# Allegro board RK_EVB7_RK3588_LP4XD200P232SD8_V11_20230111YWQ.brd (continued)
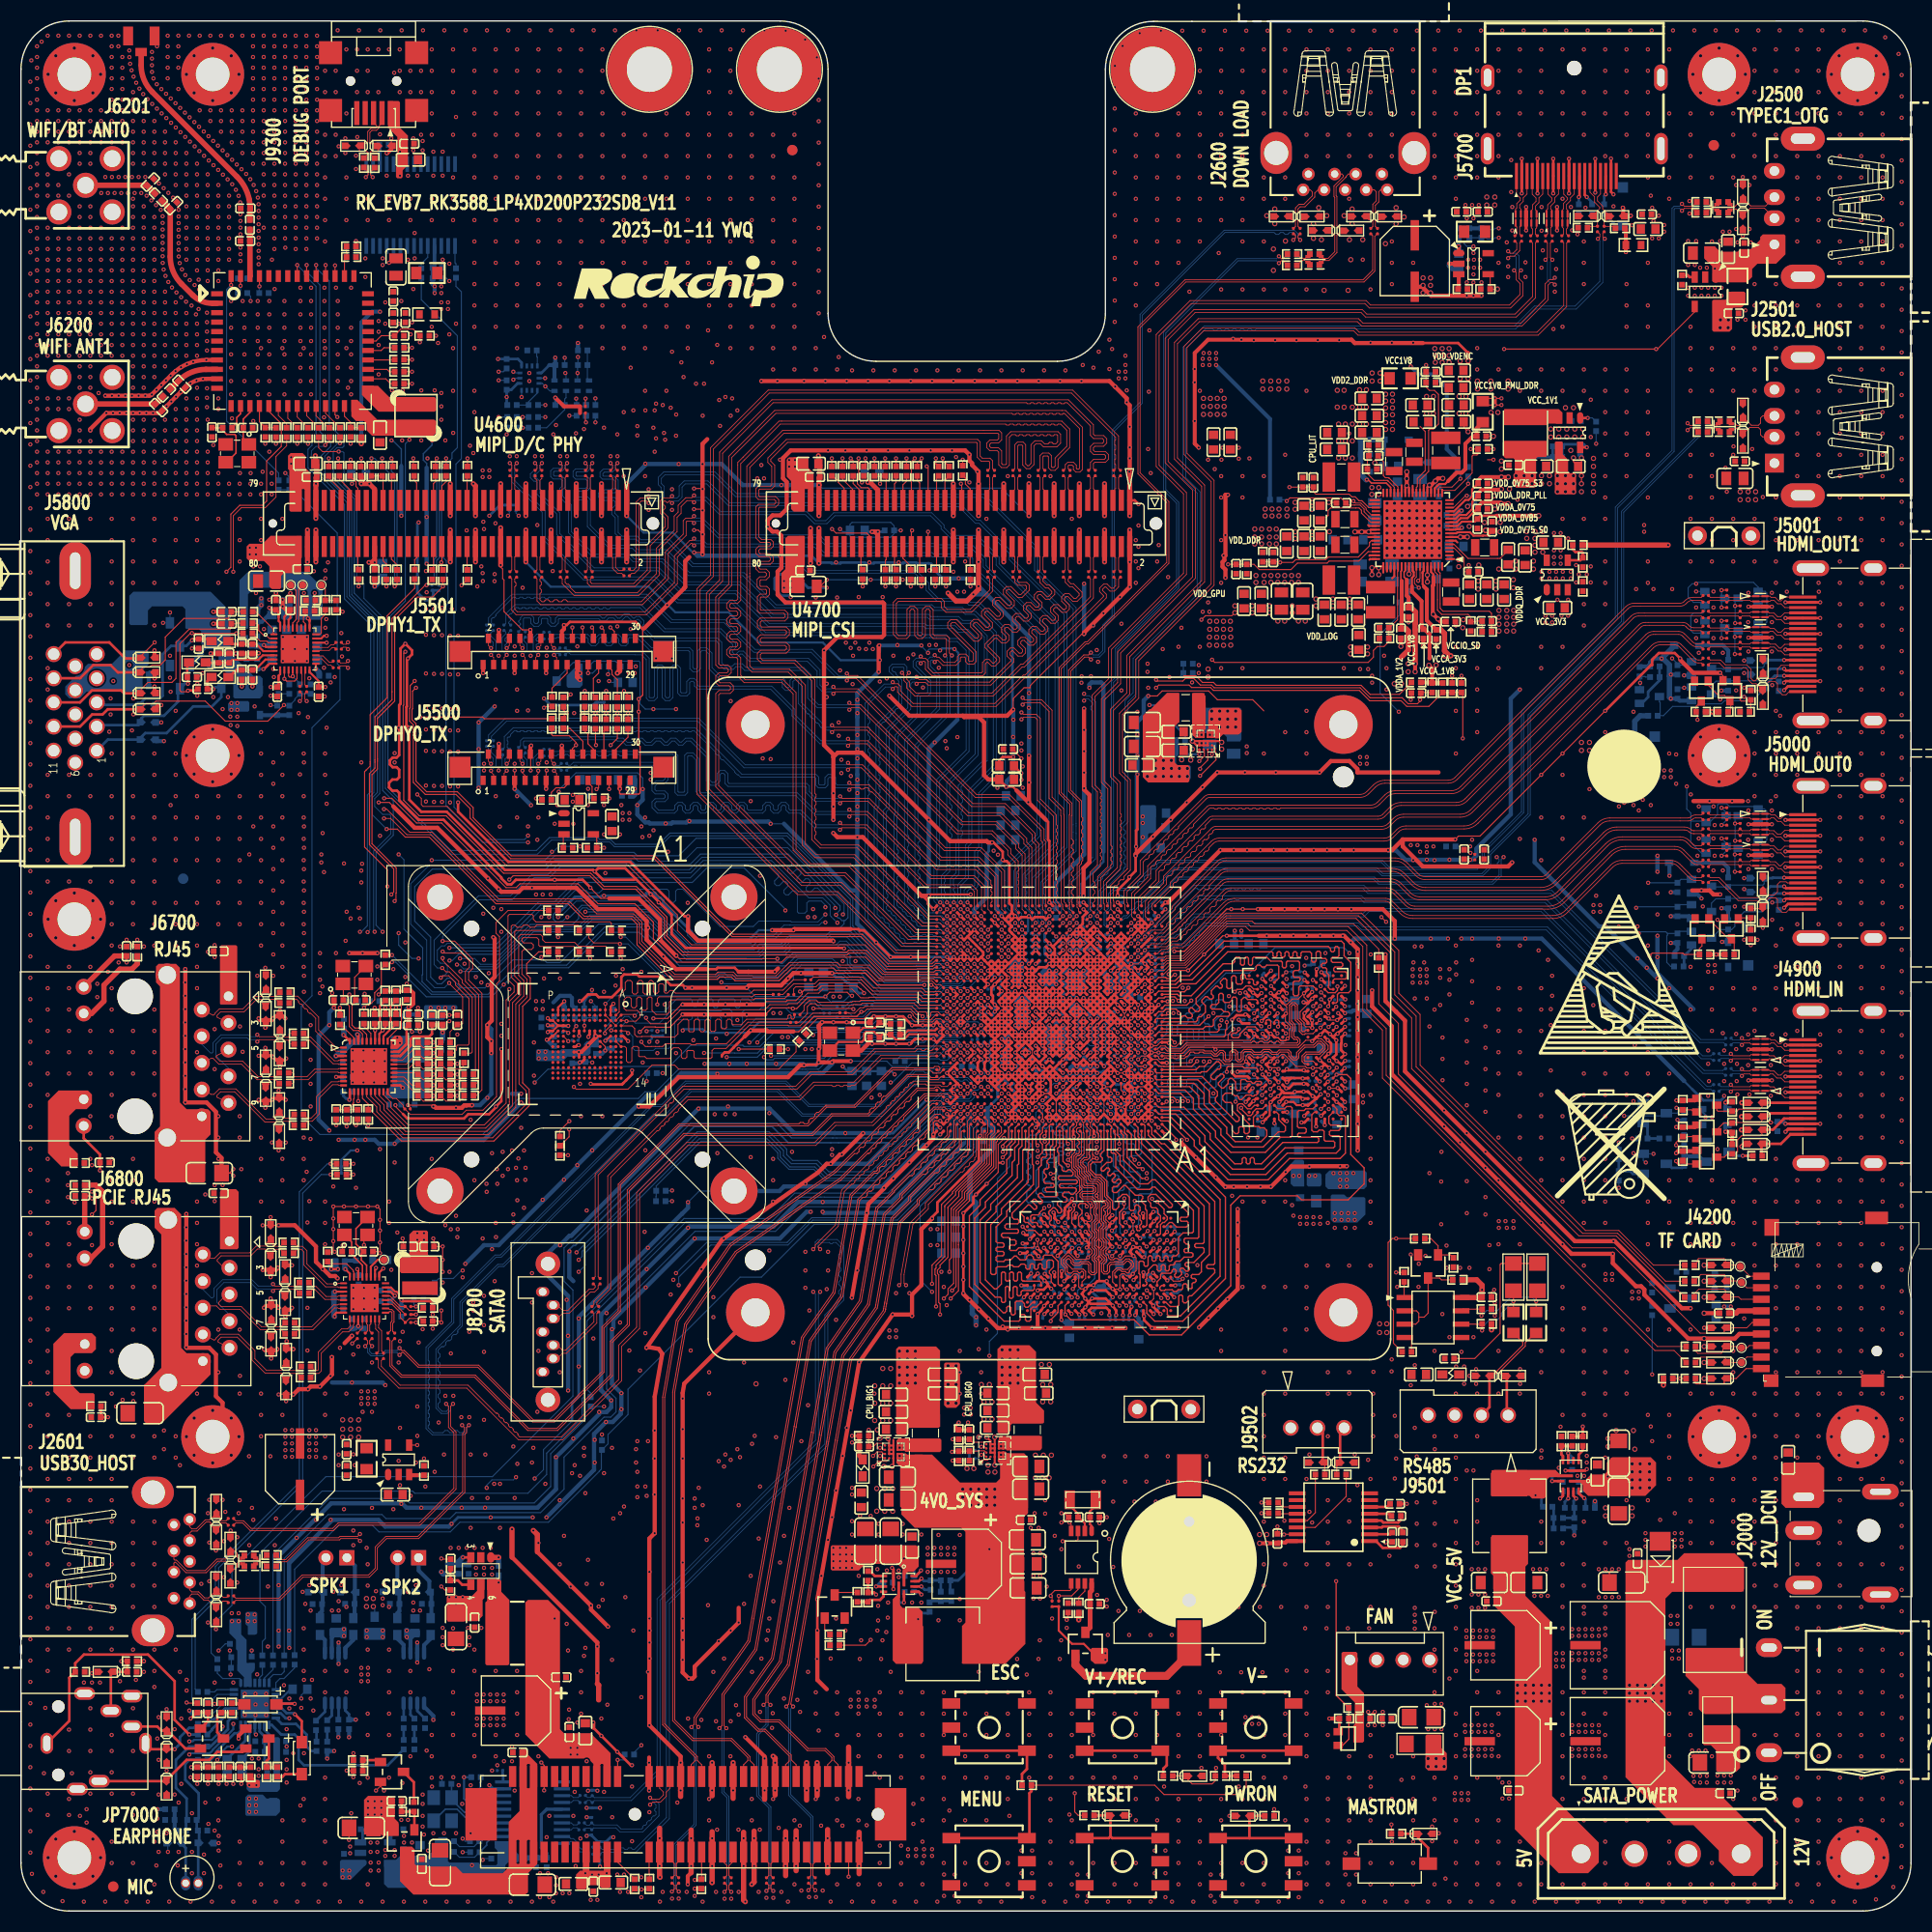
[diagram p0: board, top side]
## Nets (continued)
U5700.8(GND#8) U5701.3(GND#3) U5701.8(GND#8) U5800.33(EPAD) U6200.1(GND_1) U6200.3(GND_2) U6200.4(GND_3) U6200.5(GND_4) U6200.6(GND_5) U6200.7(GND_6) U6200.8(GND_7) U6200.10(GND_8) U6200.11(GND_9) U6200.23(GND_10) U6200.32(GND_11) U6200.39(GND_12) U6700.41(E_PAD) U6800.33(GND) U7000.4(DGND) U7000.13(HPGND) U7000.18(AGND) U7000.29(E-PAD) U7001.7(GND) U7002.7(GND) U8100.1(G1) U8100.2(G2) U8100.A1(PRSNT1#) U8100.A4(GND_A4) U8100.A12(GND_A12) U8100.A15(GND_A15) U8100.A18(GND_A18) U8100.A20(GND_A20) U8100.A23(GND_A23) U8100.A24(GND_A24) U8100.A27(GND_A27) U8100.A28(GND_A28) U8100.A31(GND_A31) U8100.B4(GND_B4) U8100.B7(GND_B7) U8100.B13(GND_B13) U8100.B16(GND_B16) U8100.B18(GND_B18) U8100.B21(GND_B21) U8100.B22(GND_B22) U8100.B25(GND_B25) U8100.B26(GND_B26) U8100.B29(GND_B29) U8100.B32(GND_B32) U8101.2(GND) U8102.9(GNDXD) U8102.16(GNDODA) U8103.2(GND) U9000.6(GND0) U9000.7(RESV) U9300.7(GND1) U9300.18(GND2) U9300.21(GND3) U9300.25(AGND) U9300.26(TEST) U9501.5(GND) U9502.15(GND) Y1100.2(GND#2) Y1100.4(GND#4) Y6200.2(GND#2) Y6200.4(GND#4) Y6700.2(GND#2) Y6700.4(GND#4) Y6800.2(GND#2) Y6800.4(GND#4) Y8100.2(GND#2) Y8100.4(GND#4)
VCC1V8_DAC_VDDAC: C5819.1 C5820.1 FB5801.2 U5800.4(VDDAC)
VCC1V8_PMU_DDR_S3: C1107.1 C1112.1 C3800.1 C3801.1 C3802.1 C3803.1 C3804.1 C3805.1 C3806.1 C3807.1 C3808.1 C3845.1 C3846.1 C3847.1 C3848.1 C3849.1 C3850.1 C3851.1 C3852.1 C3853.1 R2210.1 R2211.1 R4203.2 U1000.N28(PMUIO1_1V8) U1000.R27(PMUIO2_1V8) U3800.F1(VDD1_1) U3800.F12(VDD1_2) U3800.G4(VDD1_3) U3800.G9(VDD1_4) U3800.T4(VDD1_5) U3800.T9(VDD1_6) U3800.U1(VDD1_7) U3800.U12(VDD1_8) U3801.F1(VDD1_1) U3801.F12(VDD1_2) U3801.G4(VDD1_3) U3801.G9(VDD1_4) U3801.T4(VDD1_5) U3801.T9(VDD1_6) U3801.U1(VDD1_7) U3801.U12(VDD1_8)
VCC1V8_RX_AVCC: C5817.1 C5818.1 FB5800.2 U5800.17(AVCC) U5800.22(ASPVCC)
VCC1V8_RX_IVDD: C5812.1 C5813.1 C5814.1 C5815.1 R5806.2 U5800.9(IVDD_9) U5800.16(IVDD_16) U5800.30(IVDD_30) U5800.31(IVDD_31)
VCC3V3_FT232: C9302.1 U9300.17(VO-3V3)
VCC3V3_LCD: C2335.1 C5500.1 C5501.1 C5510.1 C5511.1 J5500.19 J5501.19 U2306.1(VOUT)
VCC3V3_PCIE30: C8100.1 C8101.1 C8102.1 C8105.1 C8106.1 C8124.1 C8125.1 C8126.1 L8100.2 R8120.1 U8100.A9(+3.3V_2) U8100.A10(+3.3V_3) U8100.B8(+3.3V_1) U8100.B10(3.3VAUX)
VCC3V3_PHY0: C6710.1 C6711.1 C6712.1 C6715.1 C6716.1 R6715.1 R6717.1 R6720.2 R6732.2 R6733.1 U6700.11(AVDD33#11) U6700.29(DVDD33) U6700.40(AVDD33#40)
VCC3V3_PHY1: C6812.1 C6813.1 C6814.1 C6815.1 J6800.14(Y+) R6808.2 R6810.2 R6811.2 U6800.11(AVDD33(NC)) U6800.23(VDDREG(DVDD33)) U6800.32(AVDD33)
VCC3V3_PI6C_05: C8116.1 C8117.1 C8118.1 C8119.1 C8134.1 R8110.1 R8113.1 R8128.1 R8130.1 R8131.1 U8101.5(OUT) U8102.1(VDDXD)
VCC3V3_SD_S0: C4201.1 C4202.1 D4200.1 J4200.4(VDD) Q4200.3(DRAIN) R4200.2 R4202.1
VCC3V3_VGA: C5803.1 C5804.1 C5805.1 R5803.2 U5800.8(OVDD_8) U5800.23(IVDD33) U5800.32(OVDD_32)
VCC3V3_WL_VBAT: C6215.1 C6216.1 R6218.1 U6200.36(VBAT)
VCC4V0_SYS: C2009.2 C2010.1 C2011.1 C2012.1 C2013.1 C2014.1 C2016.1 C2200.1 C2201.1 C2210.1 C2212.1 C2222.1 C2223.1 C2234.1 C2235.1 C2244.1 C2245.1 C2258.1 C2260.1 C2261.1 C2300.1 C2301.1 C2302.1 C2303.1 C2317.1 C2318.1 C2319.1 C8115.1 ED2200.1 L2000.2 R2005.1 U2000.5(VOUT) U2200.1(VCC9) U2200.7(VCC8) U2200.21(VCCA) U2200.22(VCC4) U2200.27(VCC10) U2200.28(VCC6) U2200.33(VCC2_1) U2200.34(VCC2_2) U2200.43(VCC7) U2200.44(VCC5) U2200.52(VCC1_1) U2200.53(VCC1_2) U2200.54(VCC3) U2200.64(VCC12) U2300.D1(VIN_1) U2300.D2(VIN_2) U2300.E1(VIN_3) U2300.E2(VIN_4) U2301.D1(VIN_1) U2301.D2(VIN_2) U2301.E1(VIN_3) U2301.E2(VIN_4) U2302.4(VIN) U2303.D1(VIN_1) U2303.D2(VIN_2) U2303.E1(VIN_3) U2303.E2(VIN_4) U8101.1(IN)
VCC5V0_FT232: C9300.1 C9301.1 J9300.1(5V) U9300.20(VDD-5V)
VCC5V0_USB20_HOST: C2501.1 C2502.1 C2503.1 C2510.1 C2511.1 J2500.1(5V) J2501.1(5V) R2503.2 U2500.1(VOUT)
VCC5V0_USB30_HOST1: C2601.1 C2603.1 C2604.1 J2600.1(VBUS) R2600.1 R2604.2 U2600.1(VOUT)
VCC5V0_USB30_HOST2: C2608.1 C2609.1 C2610.1 J2601.1(VBUS) R2611.2 U2601.1(VOUT)
VCC5V0_VGA: C5802.1 D5800.1(A) D5803.2 D5806.2 D5809.1(A) D5810.2 R5802.2
VCC5V0_VGA_CON: C5827.1 C5828.1 D5809.2(K) J5800.9(NC)
VCC5V_HDMI_TX0: C5011.1 D5001.2(K) J5000.18(+5V)
VCC5V_HDMI_TX1: C5024.1 D5005.2(K) J5001.18(+5V)
VCC5V_HDMIRX_PORT: C4900.1 D4900.1(A) J4900.18(+5V) Q4901.2(SOURCE) R4908.1 R4912.1
VCC12_VDCIN: C2000.1 J2000.1 S2000.1(P1)
VCC12V_DCIN: C240.1 C2001.1 C2002.1 C2003.1 C2005.1 C2006.1 C2007.1 C2100.1 C2101.1 C2102.1 C2407.1 C4602.1 C4603.1 C4702.1 C4703.1 C8121.1 C8122.1 C8130.1 C8131.1 D2000.2(K) F2000.2 F2400.1 J2402.4(+12V) Q8100.2(SOURCE) R2003.2 R2101.2 R8127.1 U2000.1(VIN) U2100.1(VIN) U4600.80(12V) U4700.80(12V) U8103.5(VIN)
VCC12V_PCIE30: C8113.1 C8114.1 C8132.1 C8133.1 Q8100.3(DRAIN) U8100.A2(+12V_4) U8100.A3(+12V_5) U8100.B1(+12V_1) U8100.B2(+12V_2) U8100.B3(+12V_3)
VCC12VDC: F2000.1 R2000.1 S2000.2(P2)
VCC_1V1_NLDO_S3: C2263.1 C2270.1 C2320.1 C2321.1 C2322.1 L2302.2 R2305.1 U2200.9(VCC14) U2200.13(VCC13)
VCC_1V8_S0: C1301.1 C1502.1 C1503.1 C1605.1 C1613.1 C1617.1 C1621.1 C1716.1 C1717.1 C1731.1 C1732.1 C1733.1 C1742.1 C1903.1 C1907.1 C1909.1 C2254.1 C9000.1 C9002.1 C9003.1 CON9000.1(VDD) R1501.1 R1502.1 R1506.1 R1507.1 R1903.1 R1904.1 R1920.1 R1921.1 R2311.1 R4909.1 R5019.2 R5035.2 R5050.2 R5051.2 R7001.1 R9004.2 R9005.1 U1000.AA7(VCCIO2_1V8) U1000.AA26(MIPI_CSI1_AVCC1V8) U1000.AB26(MIPI_CSI0_AVCC1V8) U1000.AC6(HDMI/EDP_TX0_VDD_CMN_1V8) U1000.AC7(HDMI/EDP_TX0_VDD_IO_1V8) U1000.AC25(VCCIO6_1V8) U1000.AD6(HDMI/EDP_TX1_VDD_CMN_1V8) U1000.AD7(HDMI/EDP_TX1_VDD_IO_1V8) U1000.AJ19(MIPI_D/C_PHY1_VDD_1V8) U1000.AJ20(MIPI_D/C_PHY0_VDD_1V8) U1000.G20(VCCIO1_1V8) U1000.H20(VCCIO4_1V8) U1000.H21(VCCIO4) U1000.W25(VCCIO5_1V8) U1000.Y26(VCCIO3_1V8) U2200.58(PLDO2) U9000.5(AVDDIO) U9000.8(VDD) U9000.12(CS)
VCC_1V8_S3: C1300.1 C2246.1 C2247.1 C4000.1 C4001.1 C4002.1 C4003.1 C4004.1 C4604.1 C4605.1 C4704.1 C4705.1 L2208.1 R2211.2 R2214.1 R2215.1 R2410.2 R4000.1 R4001.1 R4002.1 R6216.2 U1000.V26(EMMCIO_1V8) U2200.25(VOUT10) U4000.C6(VCCQ1) U4000.M4(VCCQ2) U4000.N4(VCCQ3) U4000.P3(VCCQ4) U4000.P5(VCCQ5) U4600.61(1.8V) U4700.61(1.8V)
VCC_1V8_S3_PLDO6: C2256.1 R2210.2 U2200.20(VCCIO)
VCC_1V8_VGA: C5811.1 FB5800.1 FB5801.1 R5806.1 U5800.25(IVDDO_25)
VCC_2V0_PLDO_S3: C2249.1 C2250.1 C2252.1 L2209.2 U2200.41(VOUT7) U2200.59(VCC11)
VCC_3V3_S0: C1902.1 C1908.1 C2332.1 C9510.1 C9514.1 D4901.1(A) D5002.1(A) D5007.1(A) Q2400.1(GATE) Q4902.1(GATE) Q4904.1(GATE) Q4905.1(GATE) Q5000.1(GATE) Q5007.1(GATE) R1900.1 R1901.1 R2425.1 R4913.1 R4916.1 R4919.1 R5000.1 R5002.1 R5003.1 R5017.1 R5020.1 R5022.1 R5023.1 R5038.1 R5703.1 R5704.1 R5803.1 R6727.1 R6732.1 R6810.1 R8103.1 R9003.1 R9508.1 R9509.1 U1000.AC26(VCCIO6) U1000.W26(VCCIO5) U2305.1(VOUT) U9501.8(VCC) U9502.16(VCC)
VCC_3V3_S3: C1113.1 C2236.1 C2237.1 C2330.1 C2333.1 C4006.1 C4007.1 C4008.1 C4200.1 C4606.1 C4607.1 C4706.1 C4707.1 C9303.1 C9304.1 D2400.2(A2) L2206.1 Q4200.2(SOURCE) R1113.1 R1114.1 R1130.1 R1131.1 R1139.1 R1140.1 R2302.1 R4200.1 R6218.2 U1000.P28(PMUIO2) U2200.5(VOUT8) U2305.5(IN) U2306.5(IN) U4000.E6(VCC1) U4000.F5(VCC2) U4000.J10(VCC3) U4000.K9(VCC4) U4600.62(3.3V) U4700.62(3.3V) U9300.4(VDD-232)
VCC_5V0: C2105.2 C2106.1 C2108.1 C2109.1 C2110.1 C2112.1 C2405.1 C2406.1 C2500.1 C2602.1 C2607.1 C4600.1 C4601.1 C4700.1 C4701.1 C5502.1 C5503.1 C5512.1 C5513.1 D5000.1(A) D5001.1(A) D5004.1(A) D5005.1(A) FB7001.1 J2402.1(+5V) J5500.28 J5500.29 J5500.30 J5501.28 J5501.29 J5501.30 L2100.2 Q5002.1(GATE) Q5013.1(GATE) R2103.1 R2426.1 R2503.1 R2604.1 R2611.1 R5802.1 U2100.5(VOUT) U2500.5(IN) U2600.5(IN) U2601.5(IN) U4600.77(5V_0) U4600.79(5V_1) U4700.77(5V_0) U4700.79(5V_1)
VCC_RTC: C2401.1 D2400.3(K) U2400.8(VDD)
VCCA1V8_CODEC: C7000.1 C7001.1 C7003.1 C7004.1 R7001.2 R7009.2 R7019.1 U7000.2(DVDD) U7000.3(PVDD)
VCCA3V3_CODEC: C7005.1 C7014.1 C7015.1 FB7000.2 R7000.1 R7010.1 R7013.1 U7000.16(HPVDD)
VCCA_1V8_S0: C1103.1 C1104.1 C1109.1 C1214.1 C1217.1 C1402.1 C1403.1 C1406.1 C1407.1 C1409.1 C1501.1 C1800.1 C1801.1 C1804.1 C1808.1 C1812.1 C1813.1 C1816.1 C2253.1 R1500.2 R1508.1 R1511.1 U1000.AG11(USB20_AVDD_1V8) U1000.AG13(TYPEC1_DP1_VDDH_1V8) U1000.AG14(TYPEC0_DP0_VDDH_1V8) U1000.AH18(SARADC_AVDD_1V8) U1000.G23(PCIE30_PORT0_AVDD1V8) U1000.H23(PCIE30_PORT1_AVDD1V8) U1000.K16(DDR_CH1_PLL_AVDD1V8) U1000.K27(PCIE20_SATA30_USB30_2_AVDD_1V8) U1000.L27(PCIE20_SATA30_1_AVDD_1V8) U1000.M12(DDR_CH0_PLL_AVDD1V8) U1000.M27(PCIE20_SATA30_0_AVDD_1V8) U1000.N27(OSC_1V8) U1000.U18(PLL_AVDD1V8) U2200.60(PLDO1)
VCCA_3V3_S0: C1410.1 C1740.1 C1741.1 C2257.1 FB7000.1 R2139.1 U1000.AE4(HDMI_RX_VPH3V3) U1000.AE5(HDMI_RX_DVDD3V3) U1000.AJ10(USB20_AVDD_3V3) U2200.63(PLDO4)
VCCIO_PHY0: C6707.1 C6708.1 C6709.1 R6722.1 R6726.1 R6727.2 R6728.1 R6731.1 R6734.1 U6700.28(DVDD_RG)
VCCIO_SD_S0: C1302.1 C2259.1 U1000.Y7(VCCIO2) U2200.65(PLDO5)
VCCIO_WL: C6212.1 C6214.1 R6214.1 R6216.1 U6200.34(VDDIO)
VDD2_DDR_S3: C2213.1 C2214.1 C2215.1 C2216.1 C3809.1 C3810.1 C3811.1 C3812.1 C3813.1 C3814.1 C3815.1 C3816.1 C3817.1 C3818.1 C3819.1 C3820.1 C3821.1 C3822.1 C3823.1 C3854.1 C3855.1 C3856.1 C3857.1 C3858.1 C3859.1 C3860.1 C3861.1 C3862.1 C3863.1 C3864.1 C3865.1 C3866.1 C3867.1 C3868.1 L2202.1 R1205.2 R2202.1 R3806.1 R3807.2 R3811.2 R3816.1 R3817.2 U2200.30(VOUT6) U3800.A4(VDD2_1) U3800.A9(VDD2_2) U3800.AB4(VDD2_23) U3800.AB9(VDD2_24) U3800.F5(VDD2_3) U3800.F8(VDD2_4) U3800.H1(VDD2_5) U3800.H5(VDD2_6) U3800.H8(VDD2_7) U3800.H12(VDD2_8) U3800.K1(VDD2_9) U3800.K3(VDD2_10) U3800.K10(VDD2_11) U3800.K12(VDD2_12) U3800.N1(VDD2_13) U3800.N3(VDD2_14) U3800.N10(VDD2_15) U3800.N12(VDD2_16) U3800.R1(VDD2_17) U3800.R5(VDD2_18) U3800.R8(VDD2_19) U3800.R12(VDD2_20) U3800.U5(VDD2_21) U3800.U8(VDD2_22) U3801.A4(VDD2_1) U3801.A9(VDD2_2) U3801.AB4(VDD2_23) U3801.AB9(VDD2_24) U3801.F5(VDD2_3) U3801.F8(VDD2_4) U3801.H1(VDD2_5) U3801.H5(VDD2_6) U3801.H8(VDD2_7) U3801.H12(VDD2_8) U3801.K1(VDD2_9) U3801.K3(VDD2_10) U3801.K10(VDD2_11) U3801.K12(VDD2_12) U3801.N1(VDD2_13) U3801.N3(VDD2_14) U3801.N10(VDD2_15) U3801.N12(VDD2_16) U3801.R1(VDD2_17) U3801.R5(VDD2_18) U3801.R8(VDD2_19) U3801.R12(VDD2_20) U3801.U5(VDD2_21) U3801.U8(VDD2_22)
VDD10_PHY0: C6717.1 C6718.1 C6719.1 C6721.1 C6722.1 C6723.1 L6700.2 U6700.3(AVDD10#3) U6700.8(AVDD10#8) U6700.21(DVDD10) U6700.38(AVDD10#38)
VDD10_PHY1: C6807.1 C6808.1 L6800.2 R6809.1
VDD10_RTL: C6805.1 C6806.1 C6809.1 C6810.1 C6811.1 R6809.2 U6800.3(AVDD10(NC)) U6800.8(AVDD10_0) U6800.22(DVDD10(NC)) U6800.30(AVDD10_1)
VDD_0V75_S0: C1105.1 C1106.1 C1408.1 C1505.1 C1601.1 C1602.1 C1609.1 C1615.1 C1616.1 C1619.1 C1738.1 C1802.1 C1803.1 C1814.1 C1815.1 C2271.1 U1000.AA25(MIPI_CSI1_AVCC0V75) U1000.AB25(MIPI_CSI0_AVCC0V75) U1000.AD3(OTP_VDDOTP_0V75) U1000.AE8(HDMI_RX_AVDD0V75) U1000.AG19(MIPI_D/C_PHY1_VDD) U1000.AG20(MIPI_D/C_PHY0_VDD) U1000.AH10(USB20_DVDD_0V75) U1000.G24(PCIE30_PORT0_AVDD0V75) U1000.H24(PCIE30_PORT1_AVDD0V75) U1000.V20(PLL_DVDD0V75) U2200.8(NLDO5)
VDD_0V75_S3: C1110.1 C1111.1 C2262.1 U1000.P27(PMU_0V75) U2200.14(NLDO1)
VDD_CPU_BIG0_S0: C1010.1 C1013.1 C1014.1 C1015.1 C1016.1 C1017.1 C1018.1 C1019.1 C1022.1 C1023.1 C1080.1 C2304.1 C2304.2 C2305.1 C2306.1 C2307.1 C2308.1 C2309.1 L2300.2 R2300.1 R2300.2 U1000.M16(VDD_CPU_BIG0_0) U1000.M17(VDD_CPU_BIG0_9) U1000.M19(VDD_CPU_BIG0_MEM_0) U1000.N16(VDD_CPU_BIG0_1) U1000.N17(VDD_CPU_BIG0_8) U1000.N19(VDD_CPU_BIG0_MEM_1) U1000.P16(VDD_CPU_BIG0_2) U1000.P17(VDD_CPU_BIG0_7) U1000.R16(VDD_CPU_BIG0_3) U1000.R17(VDD_CPU_BIG0_6) U1000.T16(VDD_CPU_BIG0_4) U1000.T17(VDD_CPU_BIG0_5) U2300.A4(VOUT)
VDD_CPU_BIG1_MEM_S0: C1051.1 C1083.1 C2316.1 FB2300.2 U1000.M21(VDD_CPU_BIG1_MEM_0) U1000.N21(VDD_CPU_BIG1_MEM_1)
VDD_CPU_BIG1_S0: C1024.1 C1025.1 C1027.1 C1028.1 C1029.1 C1030.1 C1031.1 C1032.1 C1033.1 C1081.1 C2310.1 C2310.2 C2311.1 C2312.1 C2313.1 C2314.1 C2315.1 FB2300.1 L2301.2 R2301.1 R2301.2 U1000.K23(VDD_CPU_BIG1_9) U1000.K24(VDD_CPU_BIG1_0) U1000.L23(VDD_CPU_BIG1_8) U1000.L24(VDD_CPU_BIG1_1) U1000.M23(VDD_CPU_BIG1_7) U1000.M24(VDD_CPU_BIG1_2) U1000.N23(VDD_CPU_BIG1_6) U1000.N24(VDD_CPU_BIG1_3) U1000.P23(VDD_CPU_BIG1_5) U1000.P24(VDD_CPU_BIG1_4) U2301.A4(VOUT)
VDD_CPU_LIT_S0: C1054.1 C1057.1 C1058.1 C1059.1 C1060.1 C1061.1 C1070.1 C1071.1 C1082.1 C2217.1 C2217.2 C2218.1 C2219.1 C2220.1 C2221.1 L2203.2 R2203.1 R2203.2 U1000.T21(VDD_CPU_LIT_MEM_1) U1000.T22(VDD_CPU_LIT_MEM_0) U1000.U21(VDD_CPU_LIT_7) U1000.U22(VDD_CPU_LIT_0) U1000.V21(VDD_CPU_LIT_6) U1000.V22(VDD_CPU_LIT_1) U1000.W21(VDD_CPU_LIT_5) U1000.W22(VDD_CPU_LIT_2) U1000.Y21(VDD_CPU_LIT_4) U1000.Y22(VDD_CPU_LIT_3) U2200.37(VOUT2)
VDD_DDR_PLL_S0: C1215.1 C1218.1 C2264.1 U1000.L15(DDR_CH1_PLL_DVDD) U1000.N12(DDR_CH0_PLL_DVDD) U2200.12(NLDO2)
VDD_DDR_S0: C1220.1 C1221.1 C1223.1 C1224.1 C1225.1 C1226.1 C1227.1 C1228.1 C1229.1 C1231.1 C2202.1 C2203.1 C2204.1 C2205.1 C2205.2 L2200.1 R2200.1 R2200.2 U1000.L11(DDR_CH1_VDD_0) U1000.L12(DDR_CH1_VDD_1) U1000.L13(DDR_CH1_VDD_2) U1000.L14(DDR_CH1_VDD_3) U1000.L17(DDR_CH1_VDD_MIF_0) U1000.L18(DDR_CH1_VDD_MIF_1) U1000.N13(DDR_CH0_VDD_MIF_0) U1000.P12(DDR_CH0_VDD_3) U1000.P13(DDR_CH0_VDD_MIF_1) U1000.R12(DDR_CH0_VDD_2) U1000.T12(DDR_CH0_VDD_1) U1000.U11(DDR_CH0_VDD_0) U2200.46(VOUT5)
VDD_GPU_S0: C1000.1 C1001.1 C1002.1 C1003.1 C1004.1 C1005.1 C1006.1 C1007.1 C1020.1 C1085.1 C2206.1 C2206.2 C2207.1 C2208.1 C2209.1 C2211.1 L2201.2 R2201.1 R2201.2 U1000.AA12(VDD_GPU_MEM_0) U1000.AA13(VDD_GPU_0) U1000.AA14(VDD_GPU_7) U1000.AA15(VDD_GPU_11) U1000.AB12(VDD_GPU_MEM_1) U1000.AB13(VDD_GPU_1) U1000.AB14(VDD_GPU_6) U1000.AB15(VDD_GPU_10) U1000.AC13(VDD_GPU_2) U1000.AC14(VDD_GPU_5) U1000.AC15(VDD_GPU_9) U1000.AD13(VDD_GPU_3) U1000.AD14(VDD_GPU_4) U1000.AD15(VDD_GPU_8) U2200.49(VOUT1)
VDD_LOG_S0: C1034.1 C1035.1 C1036.1 C1037.1 C1038.1 C1039.1 C1040.1 C1041.1 C1042.1 C2228.1 C2228.2 C2229.1 C2230.1 C2231.1 C2232.1 L2205.2 R2206.1 R2206.2 U1000.AC17(VDD_LOGIC_5) U1000.AC18(VDD_LOGIC_4) U1000.AC19(VDD_LOGIC_3) U1000.AD17(VDD_LOGIC_0) U1000.AD18(VDD_LOGIC_1) U1000.AD19(VDD_LOGIC_2) U1000.K19(VDD_LOGIC_8) U1000.K20(VDD_LOGIC_9) U1000.V16(VDD_LOGIC_6) U1000.V17(VDD_LOGIC_7) U2200.56(VOUT3)
VDD_NPU_S0: C1062.1 C1063.1 C1064.1 C1065.1 C1066.1 C1069.1 C1072.1 C1073.1 C1086.1 C2323.1 C2323.2 C2324.1 C2325.1 C2326.1 C2327.1 C2328.1 L2303.2 R2306.1 R2306.2 U1000.AB21(VDD_NPU_6) U1000.AB22(VDD_NPU_5) U1000.AB23(VDD_NPU_2) U1000.AC22(VDD_NPU_4) U1000.AC23(VDD_NPU_1) U1000.AD22(VDD_NPU_3) U1000.AD23(VDD_NPU_0) U1000.AE22(VDD_NPU_MEM_0) U1000.AE23(VDD_NPU_MEM_1) U2303.A4(VOUT)
VDD_VDENC_S0: C1043.1 C1045.1 C1046.1 C1047.1 C1048.1 C1049.1 C1050.1 C1052.1 C2239.1 C2239.2 C2240.1 C2241.1 C2242.1 C2243.1 L2207.2 R2209.1 R2209.2 U1000.R14(VDD_VDENC_0) U1000.T14(VDD_VDENC_1) U1000.U14(VDD_VDENC_2) U1000.V12(VDD_VDENC_MEM_0) U1000.V13(VDD_VDENC_MEM_1) U1000.V14(VDD_VDENC_3) U1000.W13(VDD_VDENC_5) U1000.W14(VDD_VDENC_4) U2200.24(VOUT4)
VDDA_0V85_S0: C1400.1 C1401.1 C1404.1 C1405.1 C1806.1 C1810.1 C1818.1 C2269.1 U1000.AH13(TYPEC1_DP1_VDD_0V85) U1000.AH14(TYPEC0_DP0_VDDA_0V85) U1000.AJ13(TYPEC1_DP1_VDDA_0V85) U1000.AJ14(TYPEC0_DP0_VDD_0V85) U1000.K28(PCIE20_SATA30_USB30_2_AVDD_0V85) U1000.L28(PCIE20_SATA30_1_AVDD_0V85) U1000.M28(PCIE20_SATA30_0_AVDD_0V85) U2200.10(NLDO4)
VDDA_1V2_S0: C1603.1 C1611.1 C2255.1 U1000.AH19(MIPI_D/C_PHY1_VDD_1V2) U1000.AH20(MIPI_D/C_PHY0_VDD_1V2) U2200.57(PLDO3)
